# KiCad board Drachma.kicad_pcb (continued)
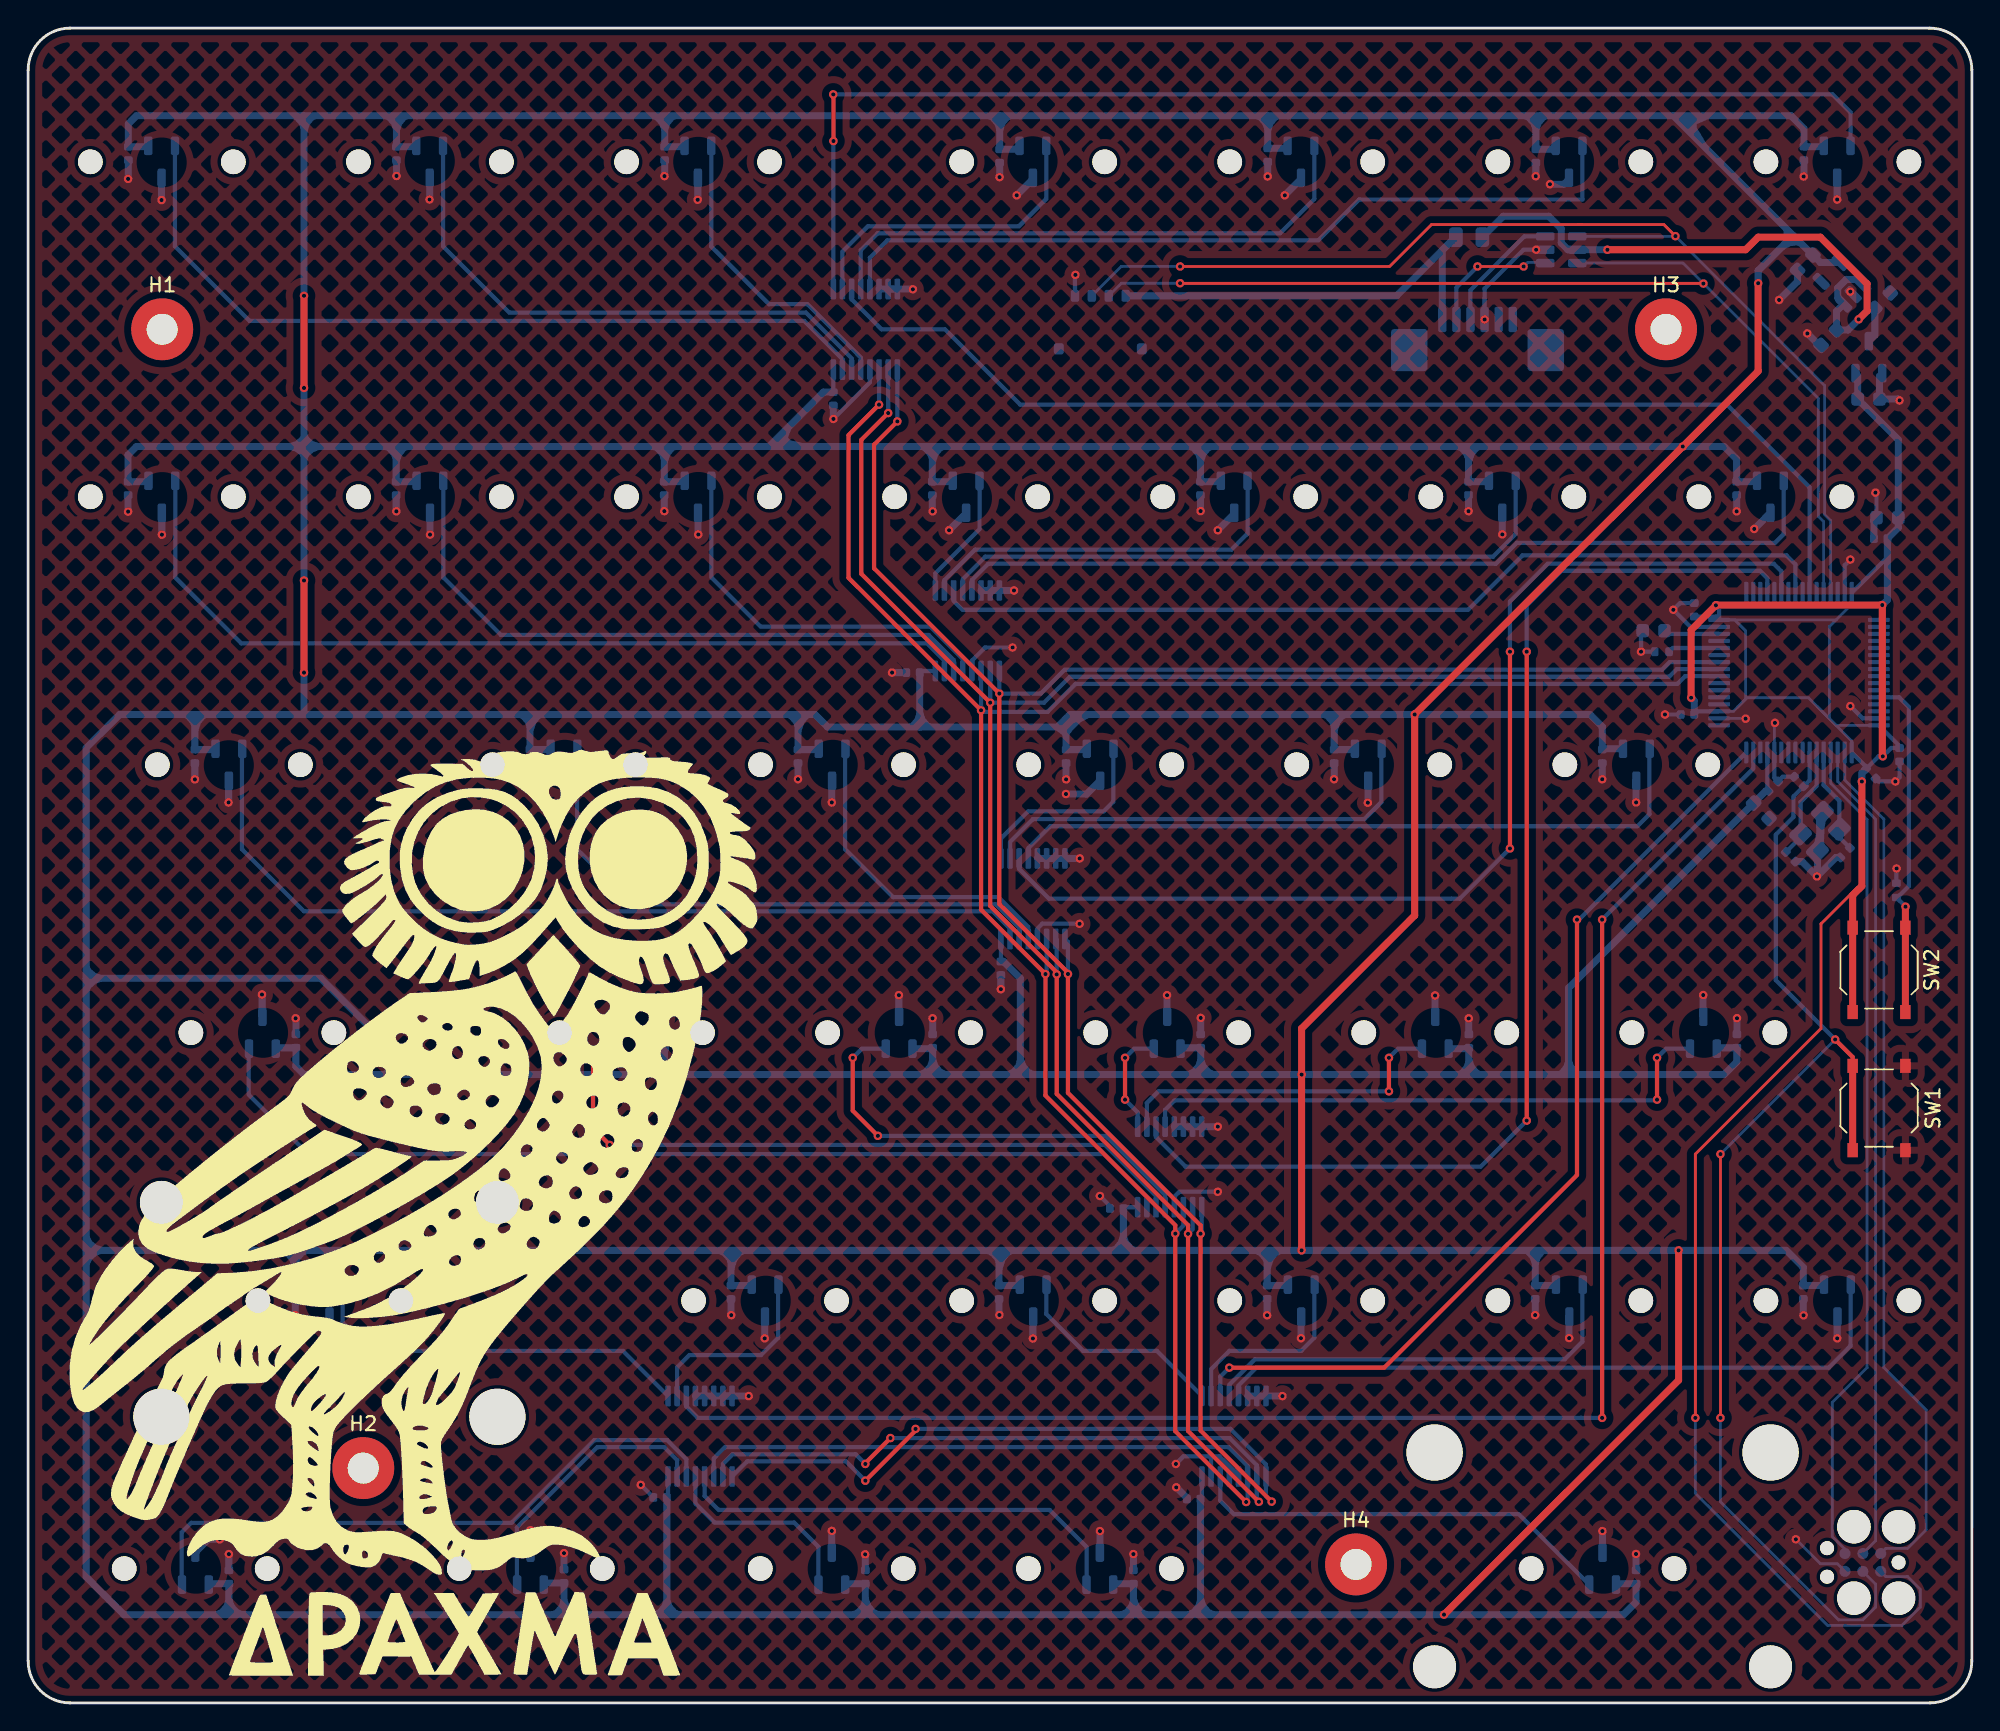
[diagram p0: board, top side]
## Nets
+3.3V: C48.1 C81.1 C82.1 C83.1 C84.1 C85.1 C86.1 J3.1 SW2.2 U1.1 U1.19 U1.32 U1.48 U1.64 U3.2
+3.3VA: AM1.16 AM2.16 AM3.16 AM4.16 AM5.16 AM6.16 C1.1 C2.1 C3.1 C4.1 C5.1 C6.1 C7.1 C8.1 C9.1 C10.1 C11.1 C12.1 C13.1 C14.1 C15.1 C16.1 C17.1 C18.1 C19.1 C20.1 C21.1 C22.1 C23.1 C24.1 C25.1 C26.1 C27.1 C28.1 C29.1 C30.1 C31.1 C32.1 C33.1 C34.1 C35.1 C36.1 C37.1 C38.1 C39.1 C40.1 C41.1 C42.1 C43.1 C50.1 C87.1 C88.1 HE1.1 HE2.1 HE3.1 HE4.1 HE5.1 HE6.1 HE7.1 HE8.1 HE9.1 HE10.1 HE11.1 HE12.1 HE13.1 HE14.1 HE15.1 HE16.1 HE17.1 HE18.1 HE19.1 HE20.1 HE21.1 HE22.1 HE23.1 HE24.1 HE25.1 HE26.1 HE27.1 HE28.1 HE29.1 HE30.1 HE31.1 HE32.1 HE33.1 HE34.1 HE35.1 HE36.1 HE37.1 U1.13 U4.5
+5V: C47.1 C49.1 F1.2 U3.3 U4.1 U4.3 U5.5
GND: AM1.6 AM1.7 AM1.8 AM1.12 AM2.6 AM2.7 AM2.8 AM2.12 AM3.5 AM3.6 AM3.7 AM3.8 AM3.12 AM4.5 AM4.6 AM4.7 AM4.8 AM4.12 AM5.6 AM5.7 AM5.8 AM5.12 AM5.13 AM5.15 AM6.4 AM6.5 AM6.6 AM6.7 AM6.8 C1.2 C2.2 C3.2 C4.2 C5.2 C6.2 C7.2 C8.2 C9.2 C10.2 C11.2 C12.2 C13.2 C14.2 C15.2 C16.2 C17.2 C18.2 C19.2 C20.2 C21.2 C22.2 C23.2 C24.2 C25.2 C26.2 C27.2 C28.2 C29.2 C30.2 C31.2 C32.2 C33.2 C34.2 C35.2 C36.2 C37.2 C38.2 C39.2 C40.2 C41.2 C42.2 C43.2 C44.1 C46.1 C47.2 C48.2 C49.2 C50.2 C81.2 C82.2 C83.2 C84.2 C85.2 C86.2 C87.2 C88.2 C89.1 C90.2 HE1.3 HE2.3 HE3.3 HE4.3 HE5.3 HE6.3 HE7.3 HE8.3 HE9.3 HE10.3 HE11.3 HE12.3 HE13.3 HE14.3 HE15.3 HE16.3 HE17.3 HE18.3 HE19.3 HE20.3 HE21.3 HE22.3 HE23.3 HE24.3 HE25.3 HE26.3 HE27.3 HE28.3 HE29.3 HE30.3 HE31.3 HE32.3 HE33.3 HE34.3 HE35.3 HE36.3 HE37.3 J1.3 J2.4 J3.5 R2.2 R3.2 SW1.2 U1.12 U1.18 U1.31 U1.47 U1.63 U3.1 U4.2 U5.2 Y1.2 Y1.4
VBUS: F1.1 J1.6 J2.1
/BOOT1: R2.1 U1.28
BOOT0: R3.1 SW2.1 U1.60
D+: J2.3 U1.45 U5.4
D-: J2.2 U1.44 U5.6
HE1: AM1.15 HE1.2
HE2: AM1.14 HE2.2
HE3: AM1.13 HE3.2
HE4: AM1.2 HE4.2
HE5: AM1.4 HE5.2
HE6: AM1.5 HE6.2
HE7: AM1.1 HE7.2
HE8: AM2.15 HE8.2
HE9: AM2.14 HE9.2
HE10: AM2.13 HE10.2
HE11: AM2.1 HE11.2
HE12: AM2.2 HE12.2
HE13: AM2.4 HE13.2
HE14: AM2.5 HE14.2
HE15: AM3.15 HE15.2
HE16: AM3.14 HE16.2
HE17: AM3.13 HE17.2
HE18: AM3.1 HE18.2
HE19: AM3.2 HE19.2
HE20: AM3.4 HE20.2
HE21: AM4.15 HE21.2
HE22: AM4.14 HE22.2
HE23: AM4.13 HE23.2
HE24: AM4.1 HE24.2
HE25: AM4.2 HE25.2
HE26: AM4.4 HE26.2
HE27: AM6.1 HE27.2
HE28: AM6.2 HE28.2
HE29: AM5.1 HE29.2
HE30: AM5.2 HE30.2
HE31: AM5.4 HE31.2
HE32: AM5.5 HE32.2
HE33: AM6.14 HE33.2
HE34: AM6.15 HE34.2
HE35: AM6.13 HE35.2
HE36: AM6.12 HE36.2
HE37: AM5.14 HE37.2
MUX_OUT_1: AM1.3 U1.42
MUX_OUT_2: AM2.3 U1.40
MUX_OUT_3: AM3.3 U1.38
MUX_OUT_4: AM4.3 U1.36
MUX_OUT_5: AM5.3 U1.16
MUX_OUT_6: AM6.3 U1.15
MUX_SELECT_0: AM1.11 AM2.11 AM3.11 AM4.11 AM5.11 AM6.11 U1.24
MUX_SELECT_1: AM1.10 AM2.10 AM3.10 AM4.10 AM5.10 AM6.10 U1.25
MUX_SELECT_2: AM1.9 AM2.9 AM3.9 AM4.9 AM5.9 AM6.9 U1.26
NRST: C89.2 J3.3 SW1.1 U1.7
PLUG_D+: J1.4 U5.3
PLUG_D-: J1.5 U5.1
SWCLK: J3.4 U1.3
SWDIO: J3.2 U1.2
SWO: J3.6 U1.4
XIN: C44.2 U1.5 Y1.3
XOUT: C46.2 U1.6 Y1.1
Net-(U1-VCAP_1): C90.1 U1.30

Pads without a net: H1 1; H2 1; H3 1; H4 1; J1 1 2 MP; J2 MP; U1 8 9 10 11 14 17 20 21 22 23 27 29 33 34 35 37 39 41 43 46 49 50 51 52 53 54 55 56 57 58 59 61 62; U4 4

## Via types
v1: diameter 0.6, hole 0.3, Top to Bottom, 177 vias

## Routing (per net, layer and track width the routed paths; a pad name or vN(x,y) marks a point on that pad's centre or on a via; arc(x,y) is an arc through that point)
+3.3V: length 199
  Top w0.2: v1(118.47,20.26) 118.47,39.01 127.4,47.94 127.4,55.39 129.96,57.95 130.19,57.95
  Top w0.5: v1(118.17,71.46) 118.17,76.27 v1(119.93,78.03) 119.95,78.05 v1(131.75,78.05) 131.75,67.33 v1(131.79,67.29) ; v1(130.3,65.51) 130.3,58.06 129.65,57.41 SW2.2 SW2.2
  Bottom w0.2: 128.47,76.99 127.99,76.52 127.99,69.97 ; 128.47,76.99 U1.32 121.27,76.99 122.04,76.22 122.04,71.36 121.49,70.81 ; 128.47,76.99 129.58,78.11 U1.48 ; 127.15,70.81 126.5,71.46 122.14,71.46 121.49,70.81 ; 127.15,70.81 129.58,68.38 U1.1 ; 127.15,70.81 127.99,69.97 ; U1.64 128.47,69.49 127.99,69.97 ; 121.49,70.81 121.17,70.49 U1.19 ; J3.1 132.01,8.98 133.55,8.98 134.45,8.08 134.45,6.81 133.15,5.5 127.87,5.5 118.47,14.9 v1(118.47,20.26)
  Bottom w0.3: U1.64 132.98,68.03 C81.1 132.38,67.89 v1(131.79,67.29) 131.49,67.29 C82.1 130.6,66.56 U1.1 ; C83.1 118.62,70.49 U1.19 ; v1(119.93,78.03) 120.16,77.8 U1.32 119.92,77.23 C84.1 ; C85.1 132.12,81.45 U1.48
  Bottom w0.5: v1(118.17,71.46) 118.39,71.24 C83.1 ; v1(131.75,78.05) 132.12,78.41 C85.1 132.89,83.54 C86.1 132.89,89.8 C48.1 130,94.38 ; v1(130.3,65.51) 130.3,66.1 C82.1
+3.3VA: length 1156.6
  Top w0.5: v1(90.49,32.17) v1(90.49,44.67) 90.49,47.94 98.52,55.98 v1(98.52,70.27) v1(117.57,89.32) 122.93,94.68 v1(122.93,100.93) ; v1(19.6,100.03) v1(19.6,93.49) ; v1(100.61,6.27) 117.28,22.94 v1(117.28,32.17) ; v1(19.6,79.79) v1(19.6,73.24)
  Bottom w0.3: C4.1 77.92,35.24 AM4.16 ; AM1.16 C1.1 ; C87.1 123.58,64.91 U1.13 ; AM2.16 63.47,73.36 C2.1 ; C3.1 AM3.16 ; AM5.16 83.41,14.6 C5.1 ; AM6.16 45.47,14.69 C13.1
  Bottom w0.5: 89.49,29.73 89.43,29.67 C36.1 88.04,32.15 88.06,32.17 ; 12.81,8.41 12.88,8.47 C39.1 14.26,6.3 14.29,6.27 ; HE8.1 8.49,86.82 C14.1 7.1,88.72 7.7,89.32 19.6,89.32 ; 45.2,6.27 45.38,6.45 C13.1 ; 45.2,6.27 38.06,6.27 ; 45.2,6.27 59.49,6.27 ; 69.01,112.83 19.6,112.83 ; 69.01,112.83 69.03,112.81 C9.1 70.2,110.45 HE4.1 ; 69.01,112.83 88.06,112.83 ; 45.2,89.32 C16.1 46.59,86.82 HE10.1 ; 45.2,89.32 26.15,89.32 ; 45.2,89.32 52.64,89.32 ; 45.2,44.67 45.22,44.69 C28.1 45.16,46.51 43.77,46.51 ; 45.2,44.67 64.25,44.67 ; 45.2,44.67 27.64,44.67 ; HE35.1 58.12,8.47 C41.1 59.49,6.27 ; HE11.1 65.64,86.82 C17.1 64.25,89.32 ; 102.35,44.67 v1(90.49,44.67) 83.3,44.67 ; 102.35,44.67 102.37,44.69 C31.1 102.31,46.51 100.92,46.51 ; 102.35,44.67 109.46,44.67 ; 19.6,112.83 7.7,112.83 7.12,112.26 C6.1 8.47,110.63 HE1.1 ; 19.6,112.83 v1(19.6,100.03) ; 35.68,70.27 35.66,70.25 C22.1 37.04,67.77 37.11,67.83 ; 35.68,70.27 19.6,70.27 ; 35.68,70.27 54.73,70.27 ; 127.59,29.73 127.53,29.67 C38.1 126.14,30.96 124.93,32.17 107.11,32.17 ; 124.98,103.87 122.93,101.82 ; 122.93,101.82 v1(122.93,100.93) ; 122.93,101.82 125.42,104.31 ; 64.25,44.67 64.27,44.69 C29.1 64.21,46.51 62.82,46.51 ; 64.25,44.67 70.5,44.67 ; 26.15,89.32 19.6,89.32 ; 26.15,89.32 C15.1 27.54,86.82 HE9.1 ; HE3.1 46.58,110.63 C8.1 45.23,112.56 ; C2.1 63.36,69.38 ; 63.36,69.38 56.81,69.38 55.92,70.27 54.73,70.27 ; 63.36,69.38 73.14,69.38 73.76,69.99 ; 64.25,89.32 52.64,89.32 ; 64.25,89.32 83.3,89.32 ; 81.87,46.51 81.93,46.57 C30.1 83.32,44.69 83.3,44.67 ; 119.97,46.51 120.03,46.57 C32.1 121.42,45.58 120.51,44.67 109.46,44.67 ; 49.96,32.17 69.01,32.17 ; 49.96,32.17 18.75,32.17 ; 49.96,32.17 49.94,32.15 C34.1 51.33,29.67 51.39,29.73 ; 69.01,32.17 68.99,32.15 C35.1 70.38,29.67 70.44,29.73 ; 69.01,32.17 77.94,32.17 ; 88.06,112.83 116.9,112.83 ; 88.06,112.83 88.08,112.81 C10.1 89.32,110.52 HE5.1 ; 52.64,89.32 56.51,93.19 C1.1 ; 116.9,112.83 125.42,104.31 ; 116.9,112.83 125.27,112.83 126.18,111.92 C12.1 127.53,110.63 HE7.1 ; 83.3,44.67 70.5,44.67 ; 92.83,70.27 92.81,70.25 C25.1 94.19,67.77 94.26,67.83 ; 92.83,70.27 v1(98.52,70.27) 110.98,70.27 111.88,69.38 111.86,69.36 C26.1 111.92,67.83 113.31,67.83 ; 92.83,70.27 74.03,70.27 73.76,69.99 ; 107.11,32.17 107.09,32.15 C37.1 108.48,29.67 108.54,29.73 ; 107.11,32.17 v1(90.49,32.17) 88.06,32.17 ; 38.06,6.27 14.29,6.27 ; 38.06,6.27 38.08,6.29 C40.1 36.69,8.52 36.63,8.46 ; 125.42,104.31 126.8,102.94 C50.1 127.35,102.4 U4.5 ; 19.6,89.32 v1(19.6,93.49) ; 19.6,89.32 v1(19.6,79.79) ; 83.3,89.32 C18.1 84.69,86.82 HE12.1 ; 83.3,89.32 102.35,89.32 ; 14.29,6.27 6.8,6.27 4.12,8.95 4.12,32.17 ; v1(19.6,73.24) 19.6,70.27 ; 19.6,70.27 13.05,70.27 ; C4.1 77.83,32.28 77.94,32.17 ; 13.29,67.83 13.23,67.77 C21.1 11.84,69.65 12.46,70.27 13.05,70.27 ; 70.5,44.67 70.5,51.52 69.31,52.71 C3.1 ; 77.94,32.17 88.06,32.17 ; 13.05,70.27 6.51,70.27 4.12,67.89 4.12,51.52 ; 26.17,112.56 C7.1 27.52,110.63 HE2.1 ; C5.1 83.3,6.27 ; 83.3,6.27 78.54,6.27 ; 83.3,6.27 v1(100.61,6.27) 113.36,6.27 114.26,7.16 C43.1 112.89,8.47 HE37.1 ; 27.64,44.67 19.6,44.67 19.03,45.24 C27.1 17.64,46.57 17.58,46.51 ; 27.64,44.67 20.79,51.52 4.12,51.52 ; 54.73,70.27 54.71,70.25 C23.1 56.09,67.77 56.16,67.83 ; 75.21,67.83 75.14,67.77 C24.1 73.76,69.99 ; HE36.1 77.17,8.47 C42.1 78.54,6.27 ; 18.75,32.17 18.99,31.93 C33.1 20.38,29.67 20.44,29.73 ; 18.75,32.17 4.12,32.17 ; 109.46,44.67 109.46,50.83 C88.1 123.46,64.83 C87.1 ; HE13.1 103.74,86.82 C19.1 102.35,89.32 ; 59.49,6.27 78.54,6.27 ; HE6.1 108.3,110.45 C11.1 107.13,112.56 ; 102.35,89.32 v1(117.57,89.32) 120.51,89.32 121.4,88.42 C20.1 122.79,86.82 HE14.1 ; 4.12,32.17 4.12,51.52
+5V: length 45.5
  Top w0.5: v1(112.22,103.31) 122.04,103.31 122.93,104.2 127.35,104.2 130.67,100.88 130.67,98.96 v1(130.07,98.36)
  Bottom w0.5: v1(112.22,103.31) U5.5 109.42,103.31 108.94,103.78 108.94,104.8 108.05,105.69 104.82,105.69 F1.2 ; U4.3 128.5,98.93 C49.1 129.32,97.61 v1(130.07,98.36) 130.86,99.14 C47.1 ; U4.3 128.59,99.88 128.59,100.59 129.19,101.19 129.96,101.19 U4.1 ; U4.3 129.02,99.42 ; C47.1 131.21,99.15 ; C47.1 131.22,97.23 U3.3
GND: length 207.8
  Bottom w0.2: U4.2 v1(129.48,100.33) ; v1(124.12,69.67) 124.08,69.63 U1.12 ; U1.18 122.01,69.99 v1(122.04,69.97) ; J3.5 128.56,9.89 127.35,9.89 v1(125.61,11.63) ; U5.2 v1(107.16,103.31)
  Bottom w0.3: R2.2 v1(114.61,74.73) 114.61,76.1 C90.2 ; C83.2 v1(116.31,70.27) ; v1(107.16,103.31) 106.26,103.31 103.49,100.54 v1(103.49,98.35) 103.49,99.84 ; v1(76.16,36.04) 76.87,35.33 C4.2 ; U1.31 118.12,76.49 v1(116.9,77.71) 117.38,78.19 C84.2 ; AM2.12 67.06,74.1 68,75.03 v1(69.95,75.03) ; U1.47 129.08,80.88 v1(129.48,81.28) ; 83.94,17.53 84.06,17.41 AM5.15 ; 83.94,17.53 84.65,17.53 86.01,16.17 AM5.12 ; 83.94,17.53 82.1,17.53 v1(81.56,16.99) ; AM4.12 81.44,35.98 81.8,36.34 v1(84.53,36.34) ; C86.2 131.34,85.97 v1(131.27,86.04) ; R3.2 132.75,59.31 v1(132.77,59.32) ; U1.63 130.35,69.99 v1(129.48,70.86) ; v1(57.22,91.28) 59.81,93.87 AM1.12 ; v1(74.41,101.52) 74.39,101.49 J2.4 ; C13.2 44.42,14.61 v1(43.53,15.5) ; v1(74.71,55.39) 74.7,55.4 72.07,55.4 71.72,55.05 AM3.12 ; U1.12 124.08,65.77 C87.2 124.68,65.84 C89.1 ; C82.2 131.49,65.51 v1(132.68,65.51) 132.98,65.8 C81.2
  Bottom w0.5: v1(119.03,50.32) 119.02,50.31 119.02,48.78 ; C36.2 88.04,27.56 v1(88.04,27.56) ; C23.2 54.71,65.67 v1(54.7,65.67) ; HE2.3 28.53,106.89 v1(28.52,106.88) ; v1(69.01,27.58) 68.99,27.59 C35.2 ; AM2.6 AM2.7 AM2.8 70.05,79.08 v1(70.05,79.08) ; v1(52.34,25.91) 52.34,25.92 52.34,27.46 ; AM5.6 AM5.7 AM5.8 89.12,21.82 v1(89.13,21.81) ; v1(9.48,106.84) 9.48,106.84 HE1.3 ; v1(122.65,83.46) 123.8,84.61 HE14.3 ; 90.44,27.46 90.44,25.93 v1(90.44,25.93) ; v1(45.21,108.54) 45.23,108.56 C8.2 ; v1(126.17,108.51) 126.18,108.53 C12.2 ; v1(76.16,12.21) 76.16,12.21 HE36.3 ; v1(127.11,58.75) 128.46,60.11 C44.1 ; v1(127.11,58.75) 126.05,59.81 C46.1 ; v1(127.11,58.75) 127.14,58.79 Y1.4 ; v1(102.37,48.66) 102.37,48.66 C31.2 ; v1(28.56,83.05) 28.55,83.06 HE9.3 ; 71.39,27.46 71.39,25.91 v1(71.4,25.91) ; C17.2 64.25,84.74 v1(64.27,84.71) ; v1(132.98,92.59) 132.88,92.69 C48.2 131.55,94.33 ; v1(99.97,50.29) 99.97,50.29 99.97,48.78 ; C86.2 131.16,84.07 C85.2 ; C24.2 73.76,65.66 v1(73.76,65.66) ; C22.2 35.66,65.67 v1(35.65,65.67) ; HE5.3 90.44,108.32 v1(89.3,107.18) ; v1(114.26,64.02) 114.26,64.02 114.26,65.56 ; v1(19.01,48.67) 19.03,48.65 C27.2 ; C43.2 114.26,10.58 v1(114.25,10.58) ; 57.11,65.56 v1(57.11,64.01) ; AM3.5 AM3.6 AM3.7 AM3.8 v1(74.72,60.03) ; C38.2 126.14,27.57 v1(126.16,27.55) ; v1(45.21,84.72) 45.2,84.73 C16.2 ; 109.49,27.46 109.49,25.94 v1(109.5,25.93) ; v1(7.1,108.35) 7.12,108.36 C6.2 ; HE12.3 85.7,84.53 v1(84.53,83.36) ; v1(59.48,10.56) 59.49,10.55 C41.2 ; v1(47.58,106.86) 47.59,106.87 HE3.3 ; v1(61.87,50.31) 61.87,50.31 61.87,48.78 ; v1(42.82,50.33) 42.82,50.33 42.82,48.78 ; AM1.6 AM1.7 ; AM1.7 62.85,100.51 v1(62.87,100.5) ; AM1.7 AM1.8 ; C29.2 64.27,48.66 v1(64.26,48.67) ; v1(7.1,84.69) 7.1,84.69 C14.2 ; C21.2 11.84,65.66 v1(11.85,65.65) ; C7.2 26.17,108.56 v1(26.18,108.55) ; v1(35.68,12.27) 35.68,12.27 35.68,10.74 ; v1(65.44,83.36) 66.65,84.58 HE11.3 ; 16.63,48.78 16.63,50.35 v1(16.62,50.36) ; v1(47.62,83.06) 47.6,83.08 HE10.3 ; v1(107.13,108.53) 107.13,108.54 C11.2 ; C39.2 v1(14.26,10.58) ; C30.2 v1(83.32,48.7) ; HE6.3 109.49,108.32 109.13,107.96 v1(108.14,107.96) ; C37.2 107.09,27.58 v1(107.09,27.57) ; AM6.4 AM6.5 AM6.6 AM6.7 ; v1(18.98,27.56) 18.99,27.57 C33.2 ; v1(78.54,10.58) 78.54,10.57 C42.2 ; C19.2 v1(102.35,84.72) ; AM4.5 AM4.6 AM4.7 AM4.8 84.53,40.96 v1(84.54,40.97) ; C2.2 v1(61.39,73.24) ; HE37.3 111.88,12.2 v1(111.86,12.21) ; HE8.3 9.5,83.05 v1(9.5,83.05) ; v1(45.21,48.66) 45.22,48.66 C28.2 ; v1(57.22,91.28) 57.21,91.29 C1.2 ; C50.2 125.72,101.04 v1(124.42,99.74) ; v1(49.96,27.57) 49.94,27.58 C34.2 ; C26.2 111.86,65.67 v1(111.85,65.66) ; 80.92,48.78 80.92,50.3 v1(80.93,50.31) ; HE7.3 128.54,106.88 v1(128.55,106.88) ; C40.2 v1(38.08,10.64) ; AM6.7 51.19,21.82 v1(51.2,21.81) ; AM6.7 AM6.8 ; 38.06,65.56 38.06,63.96 v1(38.05,63.96) ; C49.2 127.27,96.51 v1(126.43,97.35) ; 95.21,65.56 95.21,64.01 v1(95.2,64) ; 21.39,27.46 21.39,25.92 v1(21.38,25.91) ; v1(88.08,108.52) 88.08,108.52 C10.2 ; v1(83.31,84.73) 83.3,84.74 C18.2 ; v1(14.24,64.01) 14.24,64.02 14.24,65.56 ; v1(81.58,15.32) 82.34,14.56 C5.2 ; C9.2 69.03,108.47 v1(69.03,108.47) ; 11.86,10.68 12.81,11.63 v1(13.62,11.63) ; HE4.3 71.39,108.32 v1(70.25,107.18) ; C3.2 v1(69.12,50.74) ; v1(73.74,64.61) 75.21,64.61 76.16,65.56 ; C32.2 121.42,48.67 v1(121.43,48.67) ; C20.2 121.4,84.72 v1(121.4,84.71) ; v1(128.55,25.91) 128.54,25.92 128.54,27.46 ; v1(92.8,65.66) 92.81,65.67 C25.2 ; C15.2 26.15,84.73 v1(26.16,84.71) ; HE35.3 v1(57.11,12.23) ; HE13.3 v1(104.75,83.07)
VBUS: length 31.4
  Bottom w0.5: 101.41,104.2 F1.1 ; 101.41,104.2 97.24,100.03 J2.1 ; 101.41,104.2 100.49,103.28 J1.6
/BOOT1: length 3.7
  Bottom w0.3: 116.64,74.7 R2.1 116.87,74.99 U1.28
BOOT0: length 24.8
  Top w0.5: v1(133.4,56.61) 133.4,56.6 SW2.1 SW2.1
  Bottom w0.3: v1(133.4,56.61) 132.75,57.25 R3.1 132.83,57.26 133.64,58.06 133.64,70.8 132.94,71.49 U1.60
D+: length 81.4
  Top w0.2: v1(117.05,104.27) 116.23,105.09 110.13,105.09 110.43,105.09 99.71,105.09 96.74,102.12 v1(81.86,102.12)
  Bottom w0.2: J2.3 77.67,102.12 v1(81.86,102.12) ; U1.45 128.08,84.05 127.66,84.48 127.66,93.65 117.94,103.36 117.94,103.38 v1(117.05,104.27) 117.05,104.26 117.05,104.26 U5.4
D-: length 77.7
  Top w0.2: v1(119.04,100.9) 119.02,100.92 81.86,100.92 v1(81.86,100.93)
  Bottom w0.2: v1(81.86,100.93) 77.68,100.93 J2.2 ; U1.44 127.58,83.99 127.21,84.36 127.21,92.74 117.59,102.36 U5.6
HE1: length 58.6
  Bottom w0.3: AM1.15 57.86,95.53 55.14,98.25 15.73,98.25 10.43,103.55 HE1.2
HE2: length 40.3
  Bottom w0.3: HE2.2 29.48,103.55 34.19,98.84 55.26,98.84 58.51,95.59 AM1.14
HE3: length 21.9
  Bottom w0.3: HE3.2 48.54,103.54 52.64,99.44 55.37,99.44 59.16,95.64 AM1.13
HE4: length 22.5
  Bottom w0.3: AM1.2 57.86,103.17 59.67,104.98 70.4,104.98 72.34,106.92 HE4.2
HE5: length 40.3
  Bottom w0.3: HE5.2 91.39,106.91 88.96,104.48 60.36,104.48 59.16,103.28 AM1.4
HE6: length 58.4
  Bottom w0.3: HE6.2 110.44,106.89 110.43,106.88 94.58,106.88 91.68,103.98 61.05,103.98 59.81,102.74 AM1.5
HE7: length 89
  Top w0.3: v1(57.22,111.03) 57.22,114.34 v1(57.21,114.35)
  Bottom w0.3: HE7.2 129.49,113.07 128.22,114.35 v1(57.21,114.35) ; AM1.1 57.21,111.02 v1(57.22,111.03)
HE8: length 64.7
  Bottom w0.3: HE8.2 10.45,80.01 15.14,75.33 63.87,75.33 65.11,74.09 AM2.15
HE9: length 46.3
  Bottom w0.3: AM2.14 65.76,74.15 63.98,75.92 33.59,75.92 29.5,80.01 HE9.2
HE10: length 28
  Bottom w0.3: HE10.2 48.55,80.01 52.05,76.52 64.1,76.52 66.41,74.2 AM2.13
HE11: length 9.1
  Bottom w0.3: AM2.1 64.46,80.3 67.6,83.44 HE11.2
HE12: length 27.4
  Bottom w0.3: AM2.2 65.11,79.82 67.28,81.99 85.5,81.99 86.65,83.13 HE12.2
HE13: length 45.2
  Bottom w0.3: HE13.2 105.7,83.1 104.09,81.48 68.02,81.48 66.41,79.88 AM2.4
HE14: length 63.6
  Bottom w0.3: AM2.5 67.06,79.82 68.23,80.98 104.29,80.98 105.78,82.47 124.13,82.47 124.75,83.1 HE14.2
HE15: length 64.8
  Bottom w0.3: 15.19,67.83 15.19,60.69 19.6,56.28 68.54,56.28 69.77,55.05 AM3.15
HE16: length 41.7
  Bottom w0.3: AM3.14 70.42,55.1 68.74,56.78 42.91,56.78 39.01,60.69 39.01,67.83
HE17: length 23.3
  Bottom w0.3: 58.06,67.83 58.06,60.69 61.46,57.28 68.95,57.28 71.07,55.16 AM3.13
HE18: length 14.3
  Bottom w0.3: AM3.1 69.12,61.44 71.05,63.38 76.42,63.38 77.11,64.06 77.11,67.83
HE19: length 33.8
  Bottom w0.3: 95.23,63.11 96.16,64.04 96.16,67.83 ; 95.23,63.11 94.95,62.83 71.39,62.83 69.77,61.2 AM3.2 ; 95.23,63.11 96.1,63.98
HE20: length 50.5
  Bottom w0.3: AM3.4 71.07,60.76 72.63,62.33 114.35,62.33 115.21,63.18 115.21,67.83
HE21: length 70.8
  Bottom w0.3: AM4.15 79.49,35.98 76.45,39.01 19.9,39.01 15.68,43.24 15.68,46.51
HE22: length 49.8
  Top w0.3: v1(41.33,39.66) 40.14,40.85 v1(40.14,45.86)
  Bottom w0.3: AM4.14 80.14,36.03 76.51,39.66 v1(41.33,39.66) ; v1(40.14,45.86) 40.79,46.51 41.87,46.51
HE23: length 31.9
  Top w0.3: v1(58.59,45.86) 58.59,42.1 v1(60.38,40.31)
  Bottom w0.3: 60.92,46.51 59.24,46.51 v1(58.59,45.86) ; v1(60.38,40.31) 76.57,40.31 80.79,36.09 AM4.13
HE24: length 7.6
  Top w0.3: v1(77.94,45.86) v1(77.94,42.88)
  Bottom w0.3: AM4.1 78.84,41.98 v1(77.94,42.88) ; v1(77.94,45.86) 78.59,46.51 79.97,46.51
HE25: length 24.2
  Top w0.3: v1(96.69,45.86) v1(96.69,43.48)
  Bottom w0.3: v1(96.69,45.86) 97.34,46.51 99.02,46.51 ; v1(96.69,43.48) 80.32,43.48 79.49,42.65 AM4.2
HE26: length 42
  Top w0.3: v1(115.74,45.86) v1(115.74,42.88)
  Bottom w0.3: AM4.4 80.79,42.16 81.46,42.83 115.69,42.83 v1(115.74,42.88) ; 118.07,46.51 116.39,46.51 v1(115.74,45.86)
HE27: length 28
  Bottom w0.3: 22.34,29.73 22.34,27.05 24.36,25.02 42.26,25.02 AM6.1
HE28: length 13.9
  Bottom w0.3: AM6.2 46.12,23.86 46.99,24.73 52.07,24.73 53.29,25.95 53.29,29.73
HE29: length 15.6
  Bottom w0.3: AM5.1 80.2,25.02 74.97,25.02 72.34,27.65 72.34,29.73
HE30: length 13.9
  Bottom w0.3: 91.39,29.73 91.39,25.96 90.46,25.02 85.35,25.02 84.06,23.73 AM5.2
HE31: length 31.2
  Bottom w0.3: AM5.4 85.36,22.62 87.17,24.43 109.2,24.43 110.44,25.68 110.44,29.73
HE32: length 49.7
  Bottom w0.3: 129.49,29.73 129.49,25.38 127.95,23.83 87.28,23.83 86.01,22.56 AM5.5
HE33: length 44.1
  Bottom w0.3: 10.91,8.41 10.91,12.12 11.59,12.8 34.35,12.8 40.23,18.68 45.41,18.68 46.77,17.32 AM6.14
HE34: length 19.3
  Bottom w0.3: AM6.15 46.12,17.26 45.2,18.18 40.44,18.18 34.73,12.47 34.73,8.46
HE35: length 14.6
  Bottom w0.3: AM6.13 47.42,14.18 48.77,12.82 54.43,12.82 56.16,11.09 HE35.2
HE36: length 32.7
  Bottom w0.3: AM6.12 48.07,14.72 49.07,13.71 72.58,13.71 75.21,11.09 HE36.2
HE37: length 30.4
  Bottom w0.3: AM5.14 84.71,14.39 85.68,13.42 105.92,13.42 HE37.2
MUX_OUT_1: length 81.8
  Bottom w0.3: U1.42 126.58,86.43 120.72,92.29 70.5,92.29 65.14,97.65 60.64,97.65 58.51,99.78 AM1.3
MUX_OUT_2: length 64.7
  Bottom w0.3: U1.40 125.58,80.94 124.94,81.58 106.19,81.58 102.32,77.71 66.4,77.71 65.76,78.35 AM2.3
MUX_OUT_3: length 77.7
  Top w0.3: v1(105.3,60.74) v1(105.3,74.73)
  Bottom w0.3: v1(105.3,60.74) 101.72,57.17 72.54,57.17 70.42,59.3 AM3.3 ; v1(105.3,74.73) 105.3,78.3 107.97,80.98 124.05,80.98 124.58,80.45 U1.38
MUX_OUT_4: length 85.3
  Top w0.3: v1(106.49,41.4) v1(106.49,74.73)
  Bottom w0.3: v1(106.49,41.4) 103.21,38.12 82.25,38.12 80.14,40.23 AM4.3 ; v1(106.49,74.73) 106.49,78.01 108.96,80.48 123.06,80.48 123.58,79.96 U1.36
MUX_OUT_5: length 67.8
  Top w0.3: v1(85.35,23.83) 96.37,23.83 110.06,37.53 v1(110.06,55.68)
  Bottom w0.3: AM5.3 84.71,23.19 v1(85.35,23.83) ; U1.16 110.2,55.68 v1(110.06,55.68)
MUX_OUT_6: length 117.9
  Top w0.3: v1(111.84,20.26) v1(111.84,55.68)
  Bottom w0.3: v1(111.84,55.68) 122.58,66.42 U1.15 ; AM6.3 46.77,21.08 47.58,20.26 v1(111.84,20.26)
MUX_SELECT_0: length 196.8
  Top w0.3: v1(86.55,14.28) 81.51,19.32 v1(81.51,33.36) 81.51,33.95 72.29,43.18 v1(72.29,51.81) 67.71,56.39 v1(67.71,70.57) 58.3,79.98 58.3,90.13 v1(60.46,92.29)
  Bottom w0.3: AM2.11 v1(67.71,70.57) 67.82,70.46 72.44,70.46 74.43,72.45 117.2,72.45 117.75,72.99 U1.24 ; v1(86.55,14.28) 86.66,14.39 AM5.11 86.66,16.83 85.31,18.18 49.52,18.18 48.72,17.38 AM6.11 ; v1(60.46,92.29) AM1.11 ; AM4.11 82.09,33.94 v1(81.51,33.36) ; AM3.11 72.37,51.9 v1(72.29,51.81)
MUX_SELECT_1: length 196.3
  Top w0.3: v1(59.49,16.99) 59.49,17.04 v1(61.27,18.83) ; v1(61.11,91.7) 59.2,89.79 59.2,80.27 v1(68.36,71.11) 68.36,56.66 73.09,51.93 v1(73.09,51.79) 73.09,43.3 82.42,33.97 v1(82.42,33.35) 82.42,19.33 v1(87.45,14.3)
  Bottom w0.3: v1(61.11,91.7) AM1.10 ; AM6.10 49.37,16.99 50.06,17.68 58.8,17.68 v1(59.49,16.99) ; U1.25 117.15,73.49 116.61,72.95 74.02,72.95 72.18,71.11 68.37,71.11 v1(68.36,71.11) AM2.10 ; v1(82.42,33.35) 82.74,33.67 AM4.10 ; v1(61.27,18.83) 85.37,18.83 87.31,16.89 AM5.10 87.31,14.44 v1(87.45,14.3) ; v1(73.09,51.79) 73.09,54.24 AM3.10
MUX_SELECT_2: length 195.4
  Top w0.3: v1(59.49,15.8) 63.06,19.37 v1(63.06,19.48) ; v1(88.36,14.31) 83.31,19.36 v1(83.31,33.35) 83.31,33.94 73.89,43.37 v1(73.89,51.82) 73.89,51.91 69.01,56.79 v1(69.01,71.76) 60.11,80.66 60.11,89.45 v1(61.76,91.1)
  Bottom w0.3: AM4.9 83.39,33.43 v1(83.31,33.35) ; U1.26 116.65,73.99 116.11,73.45 73.65,73.45 71.96,71.76 v1(69.01,71.76) AM2.9 ; v1(88.36,14.31) 87.96,14.71 AM5.9 87.96,16.95 85.43,19.48 v1(63.06,19.48) ; v1(61.76,91.1) AM1.9 ; v1(73.89,51.82) 73.89,54.09 AM3.9 ; v1(59.49,15.8) 58.11,17.18 51.1,17.18 AM6.9
NRST: length 85.6
  Top w0.2: v1(120.25,20.26) v1(120.25,39.01)
  Top w0.3: v1(128.4,47.16) 129.65,45.92 SW1.1
  Top w0.5: SW1.1 SW1.1
  Bottom w0.2: v1(120.25,20.26) 120.25,14.3 128.64,5.9 130.37,5.9 131.27,6.81 131.27,8.44 J3.3 ; v1(128.4,47.16) v1(120.25,39.01)
  Bottom w0.3: U1.7 126.58,65.58 C89.2 125.44,64.44 125.44,62.98 124.19,61.72 124.19,51.38 v1(128.4,47.16)
PLUG_D+: length 9
  Bottom w0.3: U5.3 106.32,104.26 102.49,100.43 J1.4
PLUG_D-: length 9.3
  Top w0.2: v1(102.99,102.12) v1(106.26,102.12)
  Bottom w0.2: v1(106.26,102.12) 106.55,102.41 107.75,102.41 U5.1
  Bottom w0.3: v1(102.99,102.12) 101.49,100.62 J1.5
SWCLK: length 58.4
  Bottom w0.2: U1.3 128.58,66.5 128.59,66.49 128.59,65.51 131.27,62.82 131.27,11.52 J3.4
SWDIO: length 61.6
  Bottom w0.2: J3.2 132.01,10.98 133.55,10.98 134.87,12.31 134.87,20.83 131.86,23.83 131.86,62.83 129.08,65.6 U1.2
SWO: length 59.4
  Bottom w0.2: U1.4 128.08,65.38 130.67,62.79 130.67,23.83 128.2,21.36 128.2,11.83 129.1,10.93 J3.6
XIN: length 7.6
  Bottom w0.3: C44.2 128.7,61.53 Y1.3 128.7,64.13 127.58,65.24 U1.5
XOUT: length 8
  Bottom w0.3: C46.2 125.94,61.53 Y1.1 125.94,64.04 127.08,65.18 U1.6
Net-(U1-VCAP_1): length 4
  Bottom w0.3: C90.1 116.5,75.99 U1.30

## Copper pours and planes (outline as drawn; the poured copper is in the pictures)
+3.3VA on Bottom (solid shape): 5.59,51.52 4.76,51.79 4.4,52.09 4.1,52.69 4.1,50.3 4.4,50.9 4.76,51.22
+3.3VA on Bottom (solid shape): 5.66,32.19 4.83,32.47 4.46,32.76 4.17,33.36 4.17,30.98 4.46,31.57 4.83,31.89
+3.3VA on Bottom (solid shape): 11.91,68.85 12.18,69.67 12.48,70.04 13.08,70.33 10.7,70.33 11.29,70.04 11.61,69.67
+3.3VA on Bottom (solid shape): 14.27,7.76 13.99,6.93 13.69,6.57 13.1,6.27 15.48,6.27 14.88,6.57 14.56,6.93
+3.3VA on Bottom (solid shape): 18.22,89.32 19.05,89.04 19.41,88.74 19.71,88.15 19.71,90.53 19.41,89.93 19.05,89.62
+3.3VA on Bottom (solid shape): 18.94,30.68 19.22,31.51 19.52,31.87 20.11,32.17 17.73,32.17 18.33,31.87 18.64,31.51
+3.3VA on Bottom (solid shape): 19.65,111.41 19.92,112.24 20.22,112.6 20.82,112.9 18.43,112.9 19.03,112.6 19.35,112.24
+3.3VA on Bottom (solid shape): 21.07,89.32 20.24,89.6 19.88,89.89 19.58,90.49 19.58,88.11 19.88,88.7 20.24,89.02
+3.3VA on Bottom (solid shape): 25,44.72 26.19,45.26 26.19,45.62 25.9,46.07 25.3,47.1 27.15,45.33 27.51,44.72
+3.3VA on Bottom (solid shape): 26.19,111.41 26.47,112.24 26.77,112.6 27.36,112.9 24.98,112.9 25.58,112.6 25.9,112.24
+3.3VA on Bottom (solid shape): 26.19,87.9 26.47,88.72 26.77,89.09 27.36,89.38 24.98,89.38 25.58,89.09 25.9,88.72
+3.3VA on Bottom (solid shape): 35.72,68.85 36,69.67 36.29,70.04 36.89,70.33 34.51,70.33 35.1,70.04 35.42,69.67
+3.3VA on Bottom (solid shape): 38.08,7.72 37.8,6.89 37.5,6.53 36.91,6.23 39.29,6.23 38.69,6.53 38.38,6.89
+3.3VA on Bottom (solid shape): 45.22,46.16 44.95,45.33 44.65,44.97 44.05,44.67 46.43,44.67 45.84,44.97 45.52,45.33
+3.3VA on Bottom (solid shape): 45.24,111.41 45.52,112.24 45.82,112.6 46.41,112.9 44.03,112.9 44.63,112.6 44.95,112.24
+3.3VA on Bottom (solid shape): 45.24,87.9 45.52,88.72 45.82,89.09 46.41,89.38 44.03,89.38 44.63,89.09 44.95,88.72
+3.3VA on Bottom (solid shape): 45.38,7.74 45.1,6.91 44.8,6.55 44.21,6.25 46.59,6.25 45.99,6.55 45.68,6.91
+3.3VA on Bottom (solid shape): 50.03,30.68 50.3,31.51 50.6,31.87 51.2,32.17 48.82,32.17 49.41,31.87 49.73,31.51
+3.3VA on Bottom (solid shape): 54.33,91.14 53.88,89.91 54.12,89.66 54.66,89.55 55.81,89.24 53.24,89.19 52.56,89.37
+3.3VA on Bottom (solid shape): 54.77,68.85 55.05,69.67 55.34,70.04 55.94,70.33 53.56,70.33 54.15,70.04 54.47,69.67
+3.3VA on Bottom (solid shape): 59.51,7.76 59.23,6.93 58.94,6.57 58.34,6.27 60.72,6.27 60.13,6.57 59.81,6.93
+3.3VA on Bottom (solid shape): 63.36,70.77 63.09,69.95 62.79,69.58 62.19,69.28 64.58,69.28 63.98,69.58 63.66,69.95
+3.3VA on Bottom (solid shape): 64.27,46.16 64,45.33 63.7,44.97 63.1,44.67 65.48,44.67 64.89,44.97 64.57,45.33
+3.3VA on Bottom (solid shape): 64.29,87.9 64.57,88.72 64.87,89.09 65.46,89.38 63.08,89.38 63.68,89.09 64,88.72
+3.3VA on Bottom (solid shape): 69.06,111.41 69.33,112.24 69.63,112.6 70.23,112.9 67.85,112.9 68.44,112.6 68.76,112.24
+3.3VA on Bottom (solid shape): 69.08,30.68 69.35,31.51 69.65,31.87 70.25,32.17 67.87,32.17 68.46,31.87 68.78,31.51
+3.3VA on Bottom (solid shape): 70.52,46.16 70.25,45.33 69.95,44.97 69.35,44.67 71.74,44.67 71.14,44.97 70.82,45.33
+3.3VA on Bottom (solid shape): 77.82,33.61 77.54,32.79 77.24,32.42 76.65,32.12 79.03,32.12 78.43,32.42 78.12,32.79
+3.3VA on Bottom (solid shape): 78.56,7.76 78.28,6.93 77.99,6.57 77.39,6.27 79.77,6.27 79.18,6.57 78.86,6.93
+3.3VA on Bottom (solid shape): 83.32,46.16 83.05,45.33 82.75,44.97 82.15,44.67 84.53,44.67 83.94,44.97 83.62,45.33
+3.3VA on Bottom (solid shape): 83.32,7.76 83.05,6.93 82.75,6.57 82.15,6.27 84.53,6.27 83.94,6.57 83.62,6.93
+3.3VA on Bottom (solid shape): 83.34,87.9 83.62,88.72 83.92,89.09 84.51,89.38 82.13,89.38 82.73,89.09 83.05,88.72
+3.3VA on Bottom (solid shape): 88.11,111.41 88.38,112.24 88.68,112.6 89.28,112.9 86.9,112.9 87.49,112.6 87.81,112.24
+3.3VA on Bottom (solid shape): 88.13,30.68 88.4,31.51 88.7,31.87 89.3,32.17 86.92,32.17 87.51,31.87 87.83,31.51
+3.3VA on Bottom (solid shape): 92.87,68.85 93.15,69.67 93.44,70.04 94.04,70.33 91.66,70.33 92.25,70.04 92.57,69.67
+3.3VA on Bottom (solid shape): 102.39,87.9 102.67,88.72 102.97,89.09 103.56,89.38 101.18,89.38 101.78,89.09 102.1,88.72
+3.3VA on Bottom (solid shape): 102.39,46.09 102.12,45.26 101.82,44.9 101.22,44.6 103.6,44.6 103.01,44.9 102.69,45.26
+3.3VA on Bottom (solid shape): 107.1,30.81 107.38,31.63 107.68,32 108.27,32.29 105.89,32.29 106.49,32 106.81,31.63
+3.3VA on Bottom (solid shape): 107.16,111.41 107.43,112.24 107.73,112.6 108.33,112.9 105.95,112.9 106.54,112.6 106.86,112.24
+3.3VA on Bottom (solid shape): 109.47,46.07 109.19,45.24 108.89,44.88 108.3,44.58 110.68,44.58 110.08,44.88 109.76,45.24
+3.3VA on Bottom (solid shape): 119.66,112.83 118.47,112.29 118.47,111.94 118.76,111.48 119.36,110.45 117.51,112.23 117.15,112.83
+3.3VA on Bottom (solid shape): 124.44,103.28 125.22,103.67 125.69,103.71 126.32,103.5 124.64,105.19 124.85,104.55 124.82,104.07
+3.3VA on Bottom (solid shape): 72.93,69.38 73.76,68.7 74.19,69.26 74.74,69.8 75.65,70.27 74.29,70.27 73.57,69.8 72.98,69.38
GND on Bottom (solid shape): 127.87,63.07 127.78,62.97 127.64,62.74 127.55,62.2 127.51,61.24 127.59,60.92 127.64,60.82 127.82,60.6 127.77,60.61 127.18,60.61 126.49,60.54 127.02,61.12 127.15,61.85 127.14,62.7 127.15,62.83 126.84,63.22 127.92,63.15
GND on Top, Bottom: 138.18,119.98 0.36,119.98 -0.83,119.08 -0.83,0.32 -0.23,-0.28 137.58,-0.28 138.48,0.32 138.48,119.38

## Text on the board
B.Silkscreen: Rev 1.1 - Designed by Kyle Sleggs / Inspired by Peppapigh / Keyboard Altelier
